# KiCad board ETH1CLCR2.kicad_pcb
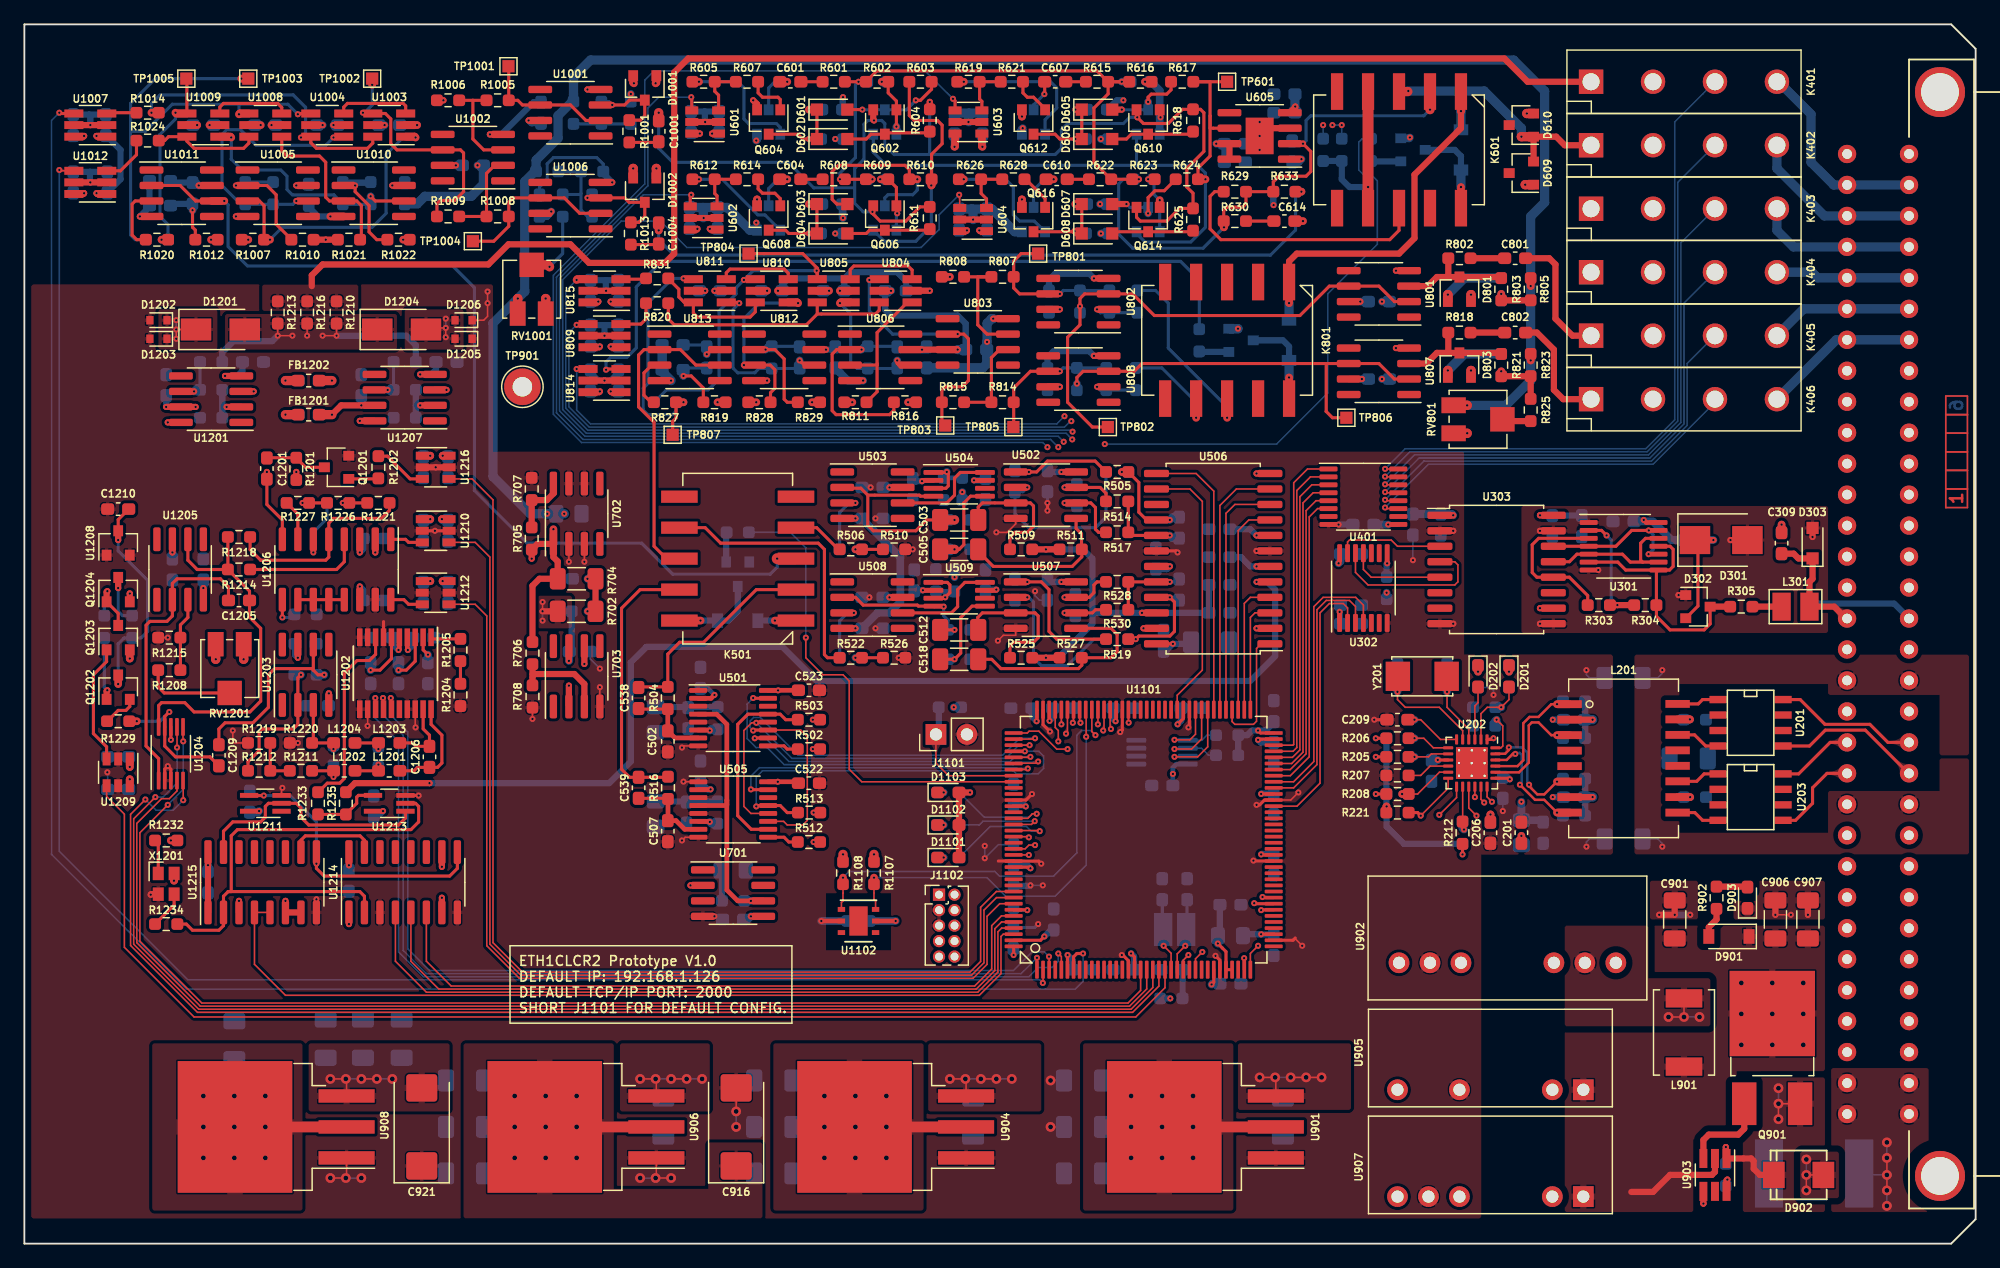
[diagram p0: board, top side]
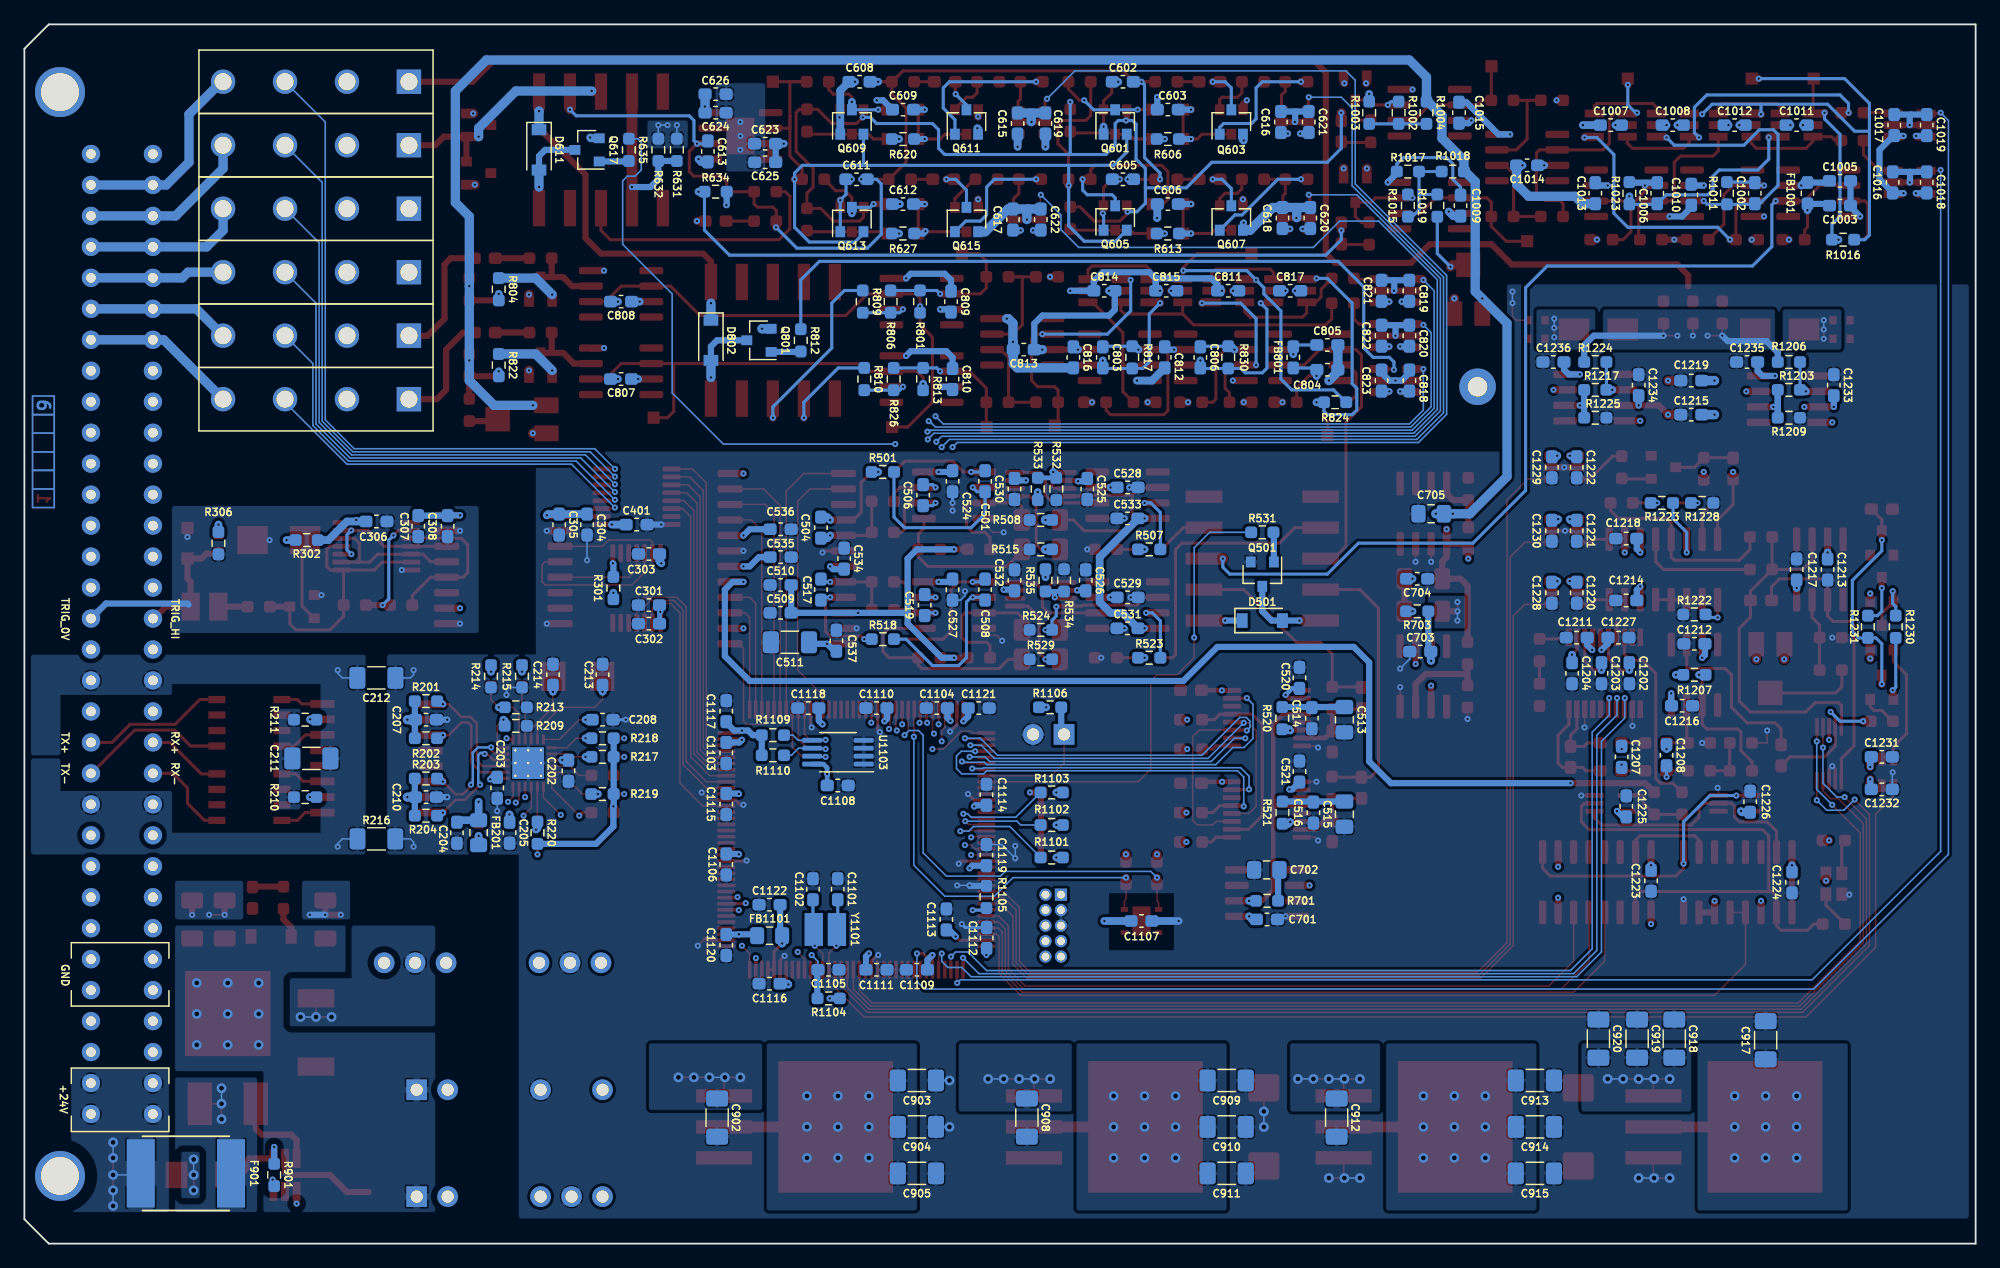
[diagram p1: board, bottom side, seen from below]

Outline 160 x 100 mm; copper layers: Top, In1.Cu, In2.Cu, In3.Cu, In4.Cu, Bottom. Coordinates in mm from the lower left corner of the outline.
Outline path: 0,100 158,100 160,98 160,2 158,0 0,0 0,100

## Placement (name value [footprint] x y rotation side)
C201  100n  [C_0603_1608Metric_Pad1.08x0.95mm_HandSolder]  122.75 33.7 90 top
C202  100n  [C_0603_1608Metric_Pad1.08x0.95mm_HandSolder]  115.39 38.78 270 bottom
C203  1u  [C_0603_1608Metric_Pad1.08x0.95mm_HandSolder]  121.23 37.38 270 bottom
C204  100n  [C_0603_1608Metric_Pad1.08x0.95mm_HandSolder]  124.53 33.7 270 bottom
C205  100n  [C_0603_1608Metric_Pad1.08x0.95mm_HandSolder]  120.21 33.7 270 bottom
C206  100n  [C_0603_1608Metric_Pad1.08x0.95mm_HandSolder]  120.21 33.7 270 top
C207  100n  [C_0603_1608Metric_Pad1.08x0.95mm_HandSolder]  127.07 42.97 180 bottom
C208  470p  [C_0603_1608Metric_Pad1.08x0.95mm_HandSolder]  112.59 42.97 180 bottom
C209  1u  [C_0603_1608Metric_Pad1.08x0.95mm_HandSolder]  112.59 42.97 180 top
C210  100n  [C_0603_1608Metric_Pad1.08x0.95mm_HandSolder]  127.07 36.62 180 bottom
C211  1n/1kV  [C_1206_3216Metric_Pad1.33x1.80mm_HandSolder]  136.47 39.8 180 bottom
C212  1n/1kV  [C_1206_3216Metric_Pad1.33x1.80mm_HandSolder]  131.13 46.4 180 bottom
C213  8p  [C_0603_1608Metric_Pad1.08x0.95mm_HandSolder]  112.59 46.66 90 bottom
C214  8p  [C_0603_1608Metric_Pad1.08x0.95mm_HandSolder]  116.66 46.66 90 bottom
C301  100n  [C_0603_1608Metric_Pad1.08x0.95mm_HandSolder]  108.78 52.37 0 bottom
C302  1u  [C_0603_1608Metric_Pad1.08x0.95mm_HandSolder]  108.78 50.85 0 bottom
C303  100n  [C_0603_1608Metric_Pad1.08x0.95mm_HandSolder]  108.78 56.56 0 bottom
C304  100n  [C_0603_1608Metric_Pad1.08x0.95mm_HandSolder]  113.86 58.97 270 bottom
C305  1u  [C_0603_1608Metric_Pad1.08x0.95mm_HandSolder]  116.15 58.97 270 bottom
C306  100n  [C_0603_1608Metric_Pad1.08x0.95mm_HandSolder]  131.13 59.23 180 bottom
C307  1u  [C_0603_1608Metric_Pad1.08x0.95mm_HandSolder]  127.71 58.85 270 bottom
C308  100n  [C_0603_1608Metric_Pad1.08x0.95mm_HandSolder]  125.29 58.85 270 bottom
C309  47p  [C_0603_1608Metric_Pad1.08x0.95mm_HandSolder]  144.09 57.45 90 top
C401  1u  [C_0603_1608Metric_Pad1.08x0.95mm_HandSolder]  109.8 58.97 180 bottom
C501  470p/COG  [C_0603_1608Metric_Pad1.08x0.95mm_HandSolder]  81.22 62.53 270 bottom
C502  330p  [C_0603_1608Metric_Pad1.08x0.95mm_HandSolder]  52.76 41.19 270 top
C503  10u  [C_1206_3216Metric_Pad1.33x1.80mm_HandSolder]  76.65 59.36 180 top
C504  2700p/COG  [C_0603_1608Metric_Pad1.08x0.95mm_HandSolder]  94.69 58.72 270 bottom
C505  10u  [C_1206_3216Metric_Pad1.33x1.80mm_HandSolder]  76.65 56.94 180 top
C506  470p/COG  [C_0603_1608Metric_Pad1.08x0.95mm_HandSolder]  86.3 61.39 270 bottom
C507  330p  [C_0603_1608Metric_Pad1.08x0.95mm_HandSolder]  52.76 33.83 270 top
C508  470p/COG  [C_0603_1608Metric_Pad1.08x0.95mm_HandSolder]  81.22 53.64 270 bottom
C509  10n  [C_0603_1608Metric_Pad1.08x0.95mm_HandSolder]  97.99 51.73 0 bottom
C510  1u  [C_0603_1608Metric_Pad1.08x0.95mm_HandSolder]  97.99 54.02 0 bottom
C511  47u  [C_1206_3216Metric_Pad1.33x1.80mm_HandSolder]  97.23 49.32 0 bottom
C512  10u  [C_1206_3216Metric_Pad1.33x1.80mm_HandSolder]  76.65 50.34 180 top
C513  22u  [C_0805_2012Metric_Pad1.18x1.45mm_HandSolder]  51.76 42.97 270 bottom
C514  1u  [C_0603_1608Metric_Pad1.08x0.95mm_HandSolder]  54.43 43.1 270 bottom
C515  22u  [C_0805_2012Metric_Pad1.18x1.45mm_HandSolder]  51.76 35.22 270 bottom
C516  1u  [C_0603_1608Metric_Pad1.08x0.95mm_HandSolder]  54.3 35.35 270 bottom
C517  2700p/COG  [C_0603_1608Metric_Pad1.08x0.95mm_HandSolder]  94.69 53.64 90 bottom
C518  10u  [C_1206_3216Metric_Pad1.33x1.80mm_HandSolder]  76.65 47.92 180 top
C519  470p/COG  [C_0603_1608Metric_Pad1.08x0.95mm_HandSolder]  86.18 52.37 270 bottom
C520  100n  [C_0603_1608Metric_Pad1.08x0.95mm_HandSolder]  55.44 46.4 90 bottom
C521  100n  [C_0603_1608Metric_Pad1.08x0.95mm_HandSolder]  55.44 38.72 90 bottom
C522  100n  [C_0603_1608Metric_Pad1.08x0.95mm_HandSolder]  64.33 37.77 0 top
C523  100n  [C_0603_1608Metric_Pad1.08x0.95mm_HandSolder]  64.33 45.39 0 top
C524  100n  [C_0603_1608Metric_Pad1.08x0.95mm_HandSolder]  83.89 62.53 270 bottom
C525  100n  [C_0603_1608Metric_Pad1.08x0.95mm_HandSolder]  72.84 61.89 270 bottom
C526  100n  [C_0603_1608Metric_Pad1.08x0.95mm_HandSolder]  72.97 54.4 90 bottom
C527  100n  [C_0603_1608Metric_Pad1.08x0.95mm_HandSolder]  83.89 53.64 270 bottom
C528  100n  [C_0603_1608Metric_Pad1.08x0.95mm_HandSolder]  69.54 62.02 180 bottom
C529  100n  [C_0603_1608Metric_Pad1.08x0.95mm_HandSolder]  69.54 53 180 bottom
C530  100n  [C_0603_1608Metric_Pad1.08x0.95mm_HandSolder]  78.81 61.89 270 bottom
C531  100n  [C_0603_1608Metric_Pad1.08x0.95mm_HandSolder]  69.54 50.47 0 bottom
C532  100n  [C_0603_1608Metric_Pad1.08x0.95mm_HandSolder]  78.81 54.4 90 bottom
C533  100n  [C_0603_1608Metric_Pad1.08x0.95mm_HandSolder]  69.54 59.48 0 bottom
C534  100n  [C_0603_1608Metric_Pad1.08x0.95mm_HandSolder]  92.78 56.18 90 bottom
C535  100n  [C_0603_1608Metric_Pad1.08x0.95mm_HandSolder]  97.99 56.31 180 bottom
C536  100n  [C_0603_1608Metric_Pad1.08x0.95mm_HandSolder]  97.99 58.59 180 bottom
C537  10n  [C_0603_1608Metric_Pad1.08x0.95mm_HandSolder]  93.42 49.45 90 bottom
C538  1u  [C_0603_1608Metric_Pad1.08x0.95mm_HandSolder]  50.36 44.75 90 top
C539  1u  [C_0603_1608Metric_Pad1.08x0.95mm_HandSolder]  50.36 37.38 90 top
C601  4n7  [C_0603_1608Metric_Pad1.08x0.95mm_HandSolder]  62.81 95.3 180 top
C602  DNP  [C_0603_1608Metric_Pad1.08x0.95mm_HandSolder]  69.92 95.3 180 bottom
C603  100n  [C_0603_1608Metric_Pad1.08x0.95mm_HandSolder]  66.24 93.01 0 bottom
C604  4n7  [C_0603_1608Metric_Pad1.08x0.95mm_HandSolder]  62.81 87.3 180 top
C605  DNP  [C_0603_1608Metric_Pad1.08x0.95mm_HandSolder]  69.92 87.3 180 bottom
C606  100n  [C_0603_1608Metric_Pad1.08x0.95mm_HandSolder]  66.24 85.26 0 bottom
C607  DNP  [C_0603_1608Metric_Pad1.08x0.95mm_HandSolder]  84.53 95.3 180 top
C608  DNP  [C_0603_1608Metric_Pad1.08x0.95mm_HandSolder]  91.51 95.3 180 bottom
C609  100n  [C_0603_1608Metric_Pad1.08x0.95mm_HandSolder]  87.96 93.01 0 bottom
C610  DNP  [C_0603_1608Metric_Pad1.08x0.95mm_HandSolder]  84.65 87.3 180 top
C611  DNP  [C_0603_1608Metric_Pad1.08x0.95mm_HandSolder]  91.76 87.3 180 bottom
C612  100n  [C_0603_1608Metric_Pad1.08x0.95mm_HandSolder]  87.96 85.26 0 bottom
C613  DNP  [C_0603_1608Metric_Pad1.08x0.95mm_HandSolder]  103.96 89.58 90 bottom
C614  470p  [C_0603_1608Metric_Pad1.08x0.95mm_HandSolder]  103.32 83.87 0 top
C615  100n  [C_0603_1608Metric_Pad1.08x0.95mm_HandSolder]  78.56 91.87 90 bottom
C616  100n  [C_0603_1608Metric_Pad1.08x0.95mm_HandSolder]  56.97 91.99 90 bottom
C617  100n  [C_0603_1608Metric_Pad1.08x0.95mm_HandSolder]  78.94 83.99 90 bottom
C618  100n  [C_0603_1608Metric_Pad1.08x0.95mm_HandSolder]  56.84 84.12 90 bottom
C619  100n  [C_0603_1608Metric_Pad1.08x0.95mm_HandSolder]  76.27 91.87 90 bottom
C620  100n  [C_0603_1608Metric_Pad1.08x0.95mm_HandSolder]  54.55 84.12 90 bottom
C621  100n  [C_0603_1608Metric_Pad1.08x0.95mm_HandSolder]  54.68 91.99 90 bottom
C622  100n  [C_0603_1608Metric_Pad1.08x0.95mm_HandSolder]  76.65 83.99 90 bottom
C623  100n  [C_0603_1608Metric_Pad1.08x0.95mm_HandSolder]  99.26 90.22 0 bottom
C624  100n  [C_0603_1608Metric_Pad1.08x0.95mm_HandSolder]  103.32 92.76 180 bottom
C625  1u  [C_0603_1608Metric_Pad1.08x0.95mm_HandSolder]  99.26 88.69 0 bottom
C626  1u  [C_0603_1608Metric_Pad1.08x0.95mm_HandSolder]  103.32 94.28 180 bottom
C701  1u  [C_0603_1608Metric_Pad1.08x0.95mm_HandSolder]  58.11 26.59 180 bottom
C702  10u  [C_0805_2012Metric_Pad1.18x1.45mm_HandSolder]  58.13 30.65 0 bottom
C703  1u  [C_0603_1608Metric_Pad1.08x0.95mm_HandSolder]  45.54 48.56 0 bottom
C704  1u  [C_0603_1608Metric_Pad1.08x0.95mm_HandSolder]  45.79 54.53 180 bottom
C705  10u  [C_0805_2012Metric_Pad1.18x1.45mm_HandSolder]  44.65 59.86 0 bottom
C801  1u  [C_0603_1608Metric_Pad1.08x0.95mm_HandSolder]  122.25 80.82 0 top
C802  1u  [C_0603_1608Metric_Pad1.08x0.95mm_HandSolder]  122.25 74.72 0 top
C803  DNP  [C_0603_1608Metric_Pad1.08x0.95mm_HandSolder]  71.57 72.69 90 bottom
C804  1u  [C_0603_1608Metric_Pad1.08x0.95mm_HandSolder]  53.16 71.67 0 bottom
C805  1u  [C_0603_1608Metric_Pad1.08x0.95mm_HandSolder]  53.16 73.71 0 bottom
C806  DNP  [C_0603_1608Metric_Pad1.08x0.95mm_HandSolder]  63.57 72.69 90 bottom
C807  100n  [C_0603_1608Metric_Pad1.08x0.95mm_HandSolder]  111.07 70.91 0 bottom
C808  100n  [C_0603_1608Metric_Pad1.08x0.95mm_HandSolder]  111.07 77.26 0 bottom
C809  100n  [C_0603_1608Metric_Pad1.08x0.95mm_HandSolder]  84.02 77.26 90 bottom
C810  100n  [C_0603_1608Metric_Pad1.08x0.95mm_HandSolder]  83.89 70.91 90 bottom
C811  100n  [C_0603_1608Metric_Pad1.08x0.95mm_HandSolder]  61.28 78.15 0 bottom
C812  100n  [C_0603_1608Metric_Pad1.08x0.95mm_HandSolder]  66.49 72.69 270 bottom
C813  100n  [C_0603_1608Metric_Pad1.08x0.95mm_HandSolder]  78.05 73.33 0 bottom
C814  100n  [C_0603_1608Metric_Pad1.08x0.95mm_HandSolder]  71.44 78.15 0 bottom
C815  100n  [C_0603_1608Metric_Pad1.08x0.95mm_HandSolder]  66.36 78.15 0 bottom
C816  100n  [C_0603_1608Metric_Pad1.08x0.95mm_HandSolder]  73.99 72.69 270 bottom
C817  100n  [C_0603_1608Metric_Pad1.08x0.95mm_HandSolder]  56.2 78.15 0 bottom
C818  100n  [C_0603_1608Metric_Pad1.08x0.95mm_HandSolder]  46.43 70.78 90 bottom
C819  100n  [C_0603_1608Metric_Pad1.08x0.95mm_HandSolder]  46.43 78.15 90 bottom
C820  100n  [C_0603_1608Metric_Pad1.08x0.95mm_HandSolder]  46.43 74.47 90 bottom
C821  100n  [C_0603_1608Metric_Pad1.08x0.95mm_HandSolder]  48.71 78.15 90 bottom
C822  100n  [C_0603_1608Metric_Pad1.08x0.95mm_HandSolder]  48.71 74.47 90 bottom
C823  100n  [C_0603_1608Metric_Pad1.08x0.95mm_HandSolder]  48.71 70.78 90 bottom
C901  4u7/50V  [C_1206_3216Metric_Pad1.33x1.80mm_HandSolder]  135.33 26.59 90 top
C902  10u  [C_1206_3216Metric_Pad1.33x1.80mm_HandSolder]  103.19 10.33 270 bottom
C903  10u  [C_1206_3216Metric_Pad1.33x1.80mm_HandSolder]  86.81 13.38 180 bottom
C904  1u  [C_1206_3216Metric_Pad1.33x1.80mm_HandSolder]  86.81 9.57 180 bottom
C905  100n  [C_1206_3216Metric_Pad1.33x1.80mm_HandSolder]  86.81 5.76 180 bottom
C906  4u7/50V  [C_1206_3216Metric_Pad1.33x1.80mm_HandSolder]  143.58 26.59 90 top
C907  4u7/50V  [C_1206_3216Metric_Pad1.33x1.80mm_HandSolder]  146.25 26.59 90 top
C908  10u  [C_1206_3216Metric_Pad1.33x1.80mm_HandSolder]  77.79 10.33 270 bottom
C909  10u  [C_1206_3216Metric_Pad1.33x1.80mm_HandSolder]  61.41 13.38 180 bottom
C910  1u  [C_1206_3216Metric_Pad1.33x1.80mm_HandSolder]  61.41 9.57 180 bottom
C911  100n  [C_1206_3216Metric_Pad1.33x1.80mm_HandSolder]  61.41 5.76 180 bottom
C912  10u  [C_1206_3216Metric_Pad1.33x1.80mm_HandSolder]  52.39 10.33 270 bottom
C913  10u  [C_1206_3216Metric_Pad1.33x1.80mm_HandSolder]  36.14 13.38 180 bottom
C914  1u  [C_1206_3216Metric_Pad1.33x1.80mm_HandSolder]  36.14 9.57 180 bottom
C915  100n  [C_1206_3216Metric_Pad1.33x1.80mm_HandSolder]  36.14 5.76 180 bottom
C916  T521V107M016ATE050  [CP_EIA-7343-20_Kemet-V_Pad2.25x2.55mm_HandSolder]  58.36 9.57 90 top
C917  10u  [C_1206_3216Metric_Pad1.33x1.80mm_HandSolder]  17.22 16.68 270 bottom
C918  10u  [C_1206_3216Metric_Pad1.33x1.80mm_HandSolder]  24.71 16.81 270 bottom
C919  1u  [C_1206_3216Metric_Pad1.33x1.80mm_HandSolder]  27.76 16.81 270 bottom
C920  100n  [C_1206_3216Metric_Pad1.33x1.80mm_HandSolder]  30.93 16.81 270 bottom
C921  T521V107M016ATE050  [CP_EIA-7343-20_Kemet-V_Pad2.25x2.55mm_HandSolder]  32.58 9.57 90 top
C1001  1u  [C_0603_1608Metric_Pad1.08x0.95mm_HandSolder]  52.01 91.23 90 top
C1002  DNP  [C_0603_1608Metric_Pad1.08x0.95mm_HandSolder]  18.11 86.15 90 bottom
C1003  1u  [C_0603_1608Metric_Pad1.08x0.95mm_HandSolder]  11.12 85.14 0 bottom
C1004  1u  [C_0603_1608Metric_Pad1.08x0.95mm_HandSolder]  52.01 82.85 90 top
C1005  1u  [C_0603_1608Metric_Pad1.08x0.95mm_HandSolder]  11.12 87.17 0 bottom
C1006  DNP  [C_0603_1608Metric_Pad1.08x0.95mm_HandSolder]  26.11 86.15 90 bottom
C1007  100n  [C_0603_1608Metric_Pad1.08x0.95mm_HandSolder]  29.92 91.74 0 bottom
C1008  100n  [C_0603_1608Metric_Pad1.08x0.95mm_HandSolder]  24.84 91.74 0 bottom
C1009  100n  [C_0603_1608Metric_Pad1.08x0.95mm_HandSolder]  42.23 85.14 90 bottom
C1010  100n  [C_0603_1608Metric_Pad1.08x0.95mm_HandSolder]  23.31 86.03 270 bottom
C1011  100n  [C_0603_1608Metric_Pad1.08x0.95mm_HandSolder]  14.68 91.74 0 bottom
C1012  100n  [C_0603_1608Metric_Pad1.08x0.95mm_HandSolder]  19.76 91.74 0 bottom
C1013  100n  [C_0603_1608Metric_Pad1.08x0.95mm_HandSolder]  31.19 86.15 270 bottom
C1014  100n  [C_0603_1608Metric_Pad1.08x0.95mm_HandSolder]  36.77 88.44 0 bottom
C1015  100n  [C_0603_1608Metric_Pad1.08x0.95mm_HandSolder]  42.36 92.76 90 bottom
C1016  100n  [C_0603_1608Metric_Pad1.08x0.95mm_HandSolder]  6.8 87.04 90 bottom
C1017  100n  [C_0603_1608Metric_Pad1.08x0.95mm_HandSolder]  6.67 91.74 90 bottom
C1018  100n  [C_0603_1608Metric_Pad1.08x0.95mm_HandSolder]  4.01 87.04 90 bottom
C1019  100n  [C_0603_1608Metric_Pad1.08x0.95mm_HandSolder]  4.01 91.74 90 bottom
C1101  8p  [C_0603_1608Metric_Pad1.08x0.95mm_HandSolder]  93.31 29.07 90 bottom
C1102  8p  [C_0603_1608Metric_Pad1.08x0.95mm_HandSolder]  95.34 29.07 90 bottom
C1103  2u2  [C_0603_1608Metric_Pad1.08x0.95mm_HandSolder]  102.45 40.24 270 bottom
C1104  2u2  [C_0603_1608Metric_Pad1.08x0.95mm_HandSolder]  85.18 43.92 0 bottom
C1105  100n  [C_0603_1608Metric_Pad1.08x0.95mm_HandSolder]  94.07 22.46 180 bottom
C1106  1u  [C_0603_1608Metric_Pad1.08x0.95mm_HandSolder]  102.45 31.1 270 bottom
C1107  100n  [C_0603_1608Metric_Pad1.08x0.95mm_HandSolder]  68.4 26.46 180 bottom
C1108  100n  [C_0603_1608Metric_Pad1.08x0.95mm_HandSolder]  93.31 37.58 180 bottom
C1109  100n  [C_0603_1608Metric_Pad1.08x0.95mm_HandSolder]  86.81 22.46 0 bottom
C1110  100n  [C_0603_1608Metric_Pad1.08x0.95mm_HandSolder]  90.13 43.92 0 bottom
C1111  100n  [C_0603_1608Metric_Pad1.08x0.95mm_HandSolder]  90.13 22.46 180 bottom
C1112  100n  [C_0603_1608Metric_Pad1.08x0.95mm_HandSolder]  81.1 25.06 90 bottom
C1113  100n  [C_0603_1608Metric_Pad1.08x0.95mm_HandSolder]  84.4 26.59 90 bottom
C1114  100n  [C_0603_1608Metric_Pad1.08x0.95mm_HandSolder]  81.11 36.81 90 bottom
C1115  100n  [C_0603_1608Metric_Pad1.08x0.95mm_HandSolder]  102.45 36.05 270 bottom
C1116  100n  [C_0603_1608Metric_Pad1.08x0.95mm_HandSolder]  98.89 21.32 0 bottom
C1117  100n  [C_0603_1608Metric_Pad1.08x0.95mm_HandSolder]  102.45 43.67 90 bottom
C1118  100n  [C_0603_1608Metric_Pad1.08x0.95mm_HandSolder]  95.72 43.92 0 bottom
C1119  100n  [C_0603_1608Metric_Pad1.08x0.95mm_HandSolder]  81.11 31.86 90 bottom
C1120  100n  [C_0603_1608Metric_Pad1.08x0.95mm_HandSolder]  102.45 24.49 270 bottom
C1121  100n  [C_0603_1608Metric_Pad1.08x0.95mm_HandSolder]  81.75 43.92 180 bottom
C1122  1u  [C_0603_1608Metric_Pad1.08x0.95mm_HandSolder]  98.89 27.8 0 bottom
C1201  10n  [C_0603_1608Metric_Pad1.08x0.95mm_HandSolder]  19.88 63.57 90 top
C1202  4u7  [C_0603_1608Metric_Pad1.08x0.95mm_HandSolder]  28.39 46.78 270 bottom
C1203  100n  [C_0603_1608Metric_Pad1.08x0.95mm_HandSolder]  30.68 46.78 90 bottom
C1204  4u7  [C_0603_1608Metric_Pad1.08x0.95mm_HandSolder]  33.09 46.78 90 bottom
C1205  3p3/COG  [C_0603_1608Metric_Pad1.08x0.95mm_HandSolder]  17.6 52.75 180 top
C1206  100p  [C_0603_1608Metric_Pad1.08x0.95mm_HandSolder]  33.22 39.92 90 top
C1207  68p  [C_0603_1608Metric_Pad1.08x0.95mm_HandSolder]  29.03 39.92 90 bottom
C1208  100p  [C_0603_1608Metric_Pad1.08x0.95mm_HandSolder]  25.34 40.05 90 bottom
C1209  4u7  [C_0603_1608Metric_Pad1.08x0.95mm_HandSolder]  15.95 40.05 90 top
C1210  1u  [C_0603_1608Metric_Pad1.08x0.95mm_HandSolder]  7.69 60.24 0 top
C1211  100n  [C_0603_1608Metric_Pad1.08x0.95mm_HandSolder]  32.71 49.7 0 bottom
C1212  100n  [C_0603_1608Metric_Pad1.08x0.95mm_HandSolder]  23.06 49.19 0 bottom
C1213  100n  [C_0603_1608Metric_Pad1.08x0.95mm_HandSolder]  12.14 55.29 270 bottom
C1214  100n  [C_0603_1608Metric_Pad1.08x0.95mm_HandSolder]  28.65 52.75 0 bottom
C1215  100n  [C_0603_1608Metric_Pad1.08x0.95mm_HandSolder]  23.31 67.99 0 bottom
C1216  100n  [C_0603_1608Metric_Pad1.08x0.95mm_HandSolder]  24.07 44.11 180 bottom
C1217  100n  [C_0603_1608Metric_Pad1.08x0.95mm_HandSolder]  14.68 55.29 90 bottom
C1218  100n  [C_0603_1608Metric_Pad1.08x0.95mm_HandSolder]  28.65 57.83 0 bottom
C1219  100n  [C_0603_1608Metric_Pad1.08x0.95mm_HandSolder]  23.31 70.78 0 bottom
C1220  100n  [C_0603_1608Metric_Pad1.08x0.95mm_HandSolder]  32.71 53.39 270 bottom
C1221  100n  [C_0603_1608Metric_Pad1.08x0.95mm_HandSolder]  32.71 58.47 270 bottom
C1222  100n  [C_0603_1608Metric_Pad1.08x0.95mm_HandSolder]  32.71 63.67 270 bottom
C1223  100n  [C_0603_1608Metric_Pad1.08x0.95mm_HandSolder]  26.61 29.76 270 bottom
C1224  100n  [C_0603_1608Metric_Pad1.08x0.95mm_HandSolder]  15.06 29.64 270 bottom
C1225  100n  [C_0603_1608Metric_Pad1.08x0.95mm_HandSolder]  28.65 35.86 90 bottom
C1226  100n  [C_0603_1608Metric_Pad1.08x0.95mm_HandSolder]  18.49 36.24 90 bottom
C1227  100n  [C_0603_1608Metric_Pad1.08x0.95mm_HandSolder]  29.28 49.7 180 bottom
C1228  100n  [C_0603_1608Metric_Pad1.08x0.95mm_HandSolder]  34.74 53.39 270 bottom
C1229  100n  [C_0603_1608Metric_Pad1.08x0.95mm_HandSolder]  34.74 63.67 270 bottom
C1230  100n  [C_0603_1608Metric_Pad1.08x0.95mm_HandSolder]  34.74 58.47 270 bottom
C1231  100n  [C_0603_1608Metric_Pad1.08x0.95mm_HandSolder]  7.69 39.92 180 bottom
C1232  100n  [C_0603_1608Metric_Pad1.08x0.95mm_HandSolder]  7.69 37.26 180 bottom
C1233  100n  [C_0603_1608Metric_Pad1.08x0.95mm_HandSolder]  11.63 70.4 90 bottom
C1234  100n  [C_0603_1608Metric_Pad1.08x0.95mm_HandSolder]  27.63 70.4 90 bottom
C1235  100n  [C_0603_1608Metric_Pad1.08x0.95mm_HandSolder]  18.74 72.31 0 bottom
C1236  100n  [C_0603_1608Metric_Pad1.08x0.95mm_HandSolder]  34.61 72.31 0 bottom
D201  YELLOW  [LED_0603_1608Metric_Pad1.05x0.95mm_HandSolder]  121.74 46.53 270 top
D202  GREEN  [LED_0603_1608Metric_Pad1.05x0.95mm_HandSolder]  119.2 46.53 270 top
D301  SMBJ5.0A  [D_SMB]  139.14 57.7 0 top
D302  BAV99  [SOT-23]  137.23 52.24 0 top
D303  SD36C-01FTG  [D_SOD-323_HandSoldering]  146.63 57.45 90 top
D501  1N4148W  [D_SOD-123]  58.49 51.1 180 bottom
D601  BAS16J  [D_SOD-323_HandSoldering]  66.24 93.01 0 top
D602  BAS16J  [D_SOD-323_HandSoldering]  66.24 90.6 0 top
D603  BAS16J  [D_SOD-323_HandSoldering]  66.24 85.26 0 top
D604  BAS16J  [D_SOD-323_HandSoldering]  66.24 82.85 0 top
D605  BAS16J  [D_SOD-323_HandSoldering]  87.96 93.01 0 top
D606  BAS16J  [D_SOD-323_HandSoldering]  87.96 90.6 0 top
D607  BAS16J  [D_SOD-323_HandSoldering]  87.96 85.26 0 top
D608  BAS16J  [D_SOD-323_HandSoldering]  87.96 82.85 0 top
D609  BAV199  [SOT-23]  122.75 87.8 180 top
D610  BAV199  [SOT-23]  122.75 91.74 180 top
D611  1N4148W  [D_SOD-123]  117.8 89.71 270 bottom
D801  BAV199  [SOT-23]  117.67 78.28 90 top
D802  1N4148W  [D_SOD-123]  103.7 74.09 270 bottom
D803  BAV199  [SOT-23]  117.67 72.06 90 top
D901  MMSZ5249B  [D_SOD-123]  139.77 25.19 180 top
D902  SM6T30AY  [DO_214AA_REV]  145.49 5.63 180 top
D903  RED  [LED_0603_1608Metric_Pad1.05x0.95mm_HandSolder]  141.29 28.37 90 top
D1001  BAV199  [SOT-23]  50.87 94.79 270 top
D1002  BAV199  [SOT-23]  50.87 86.41 270 top
D1101  GREEN  [LED_0603_1608Metric_Pad1.05x0.95mm_HandSolder]  75.76 31.67 0 top
D1102  RED  [LED_0603_1608Metric_Pad1.05x0.95mm_HandSolder]  75.76 34.34 0 top
D1103  BLUE  [LED_0603_1608Metric_Pad1.05x0.95mm_HandSolder]  75.76 37 0 top
D1201  BYG20J  [D_SMA]  16.07 74.98 0 top
D1202  BZX584C5V6  [D_SOD-523]  10.99 75.74 180 top
D1203  BZX584C5V6  [D_SOD-523]  10.99 74.21 180 top
D1204  BYG20J  [D_SMA]  30.93 74.98 0 top
D1205  BZX584C5V6  [D_SOD-523]  36.01 74.21 180 top
D1206  BZX584C5V6  [D_SOD-523]  36.01 75.74 180 top
F901  MF-LSMF185/33X  [Fuse_SMD2920]  146.76 5.76 0 bottom
FB201  742792031  [L_0805_2012Metric_Pad1.15x1.40mm_HandSolder]  122.75 33.7 270 bottom
FB801  BLM18TG102TN1D  [L_0603_1608Metric_Pad1.05x0.95mm_HandSolder]  55.95 72.69 90 bottom
FB1001  BLM18TG102TN1D  [L_0603_1608Metric_Pad1.05x0.95mm_HandSolder]  13.79 86.15 90 bottom
FB1101  742792031  [L_0805_2012Metric_Pad1.15x1.40mm_HandSolder]  98.89 25.26 0 bottom
FB1201  BLM18SP601SZ1D  [L_0603_1608Metric_Pad1.05x0.95mm_HandSolder]  23.31 67.99 0 top
FB1202  BLM18SP601SZ1D  [L_0603_1608Metric_Pad1.05x0.95mm_HandSolder]  23.31 70.78 0 top
J401  C64AC  [Socket_DIN41612-CaseC1-AC-Male-64Pin-2rows]  152 50 90 top